# Allegro board 08_038702e.brd (continued)
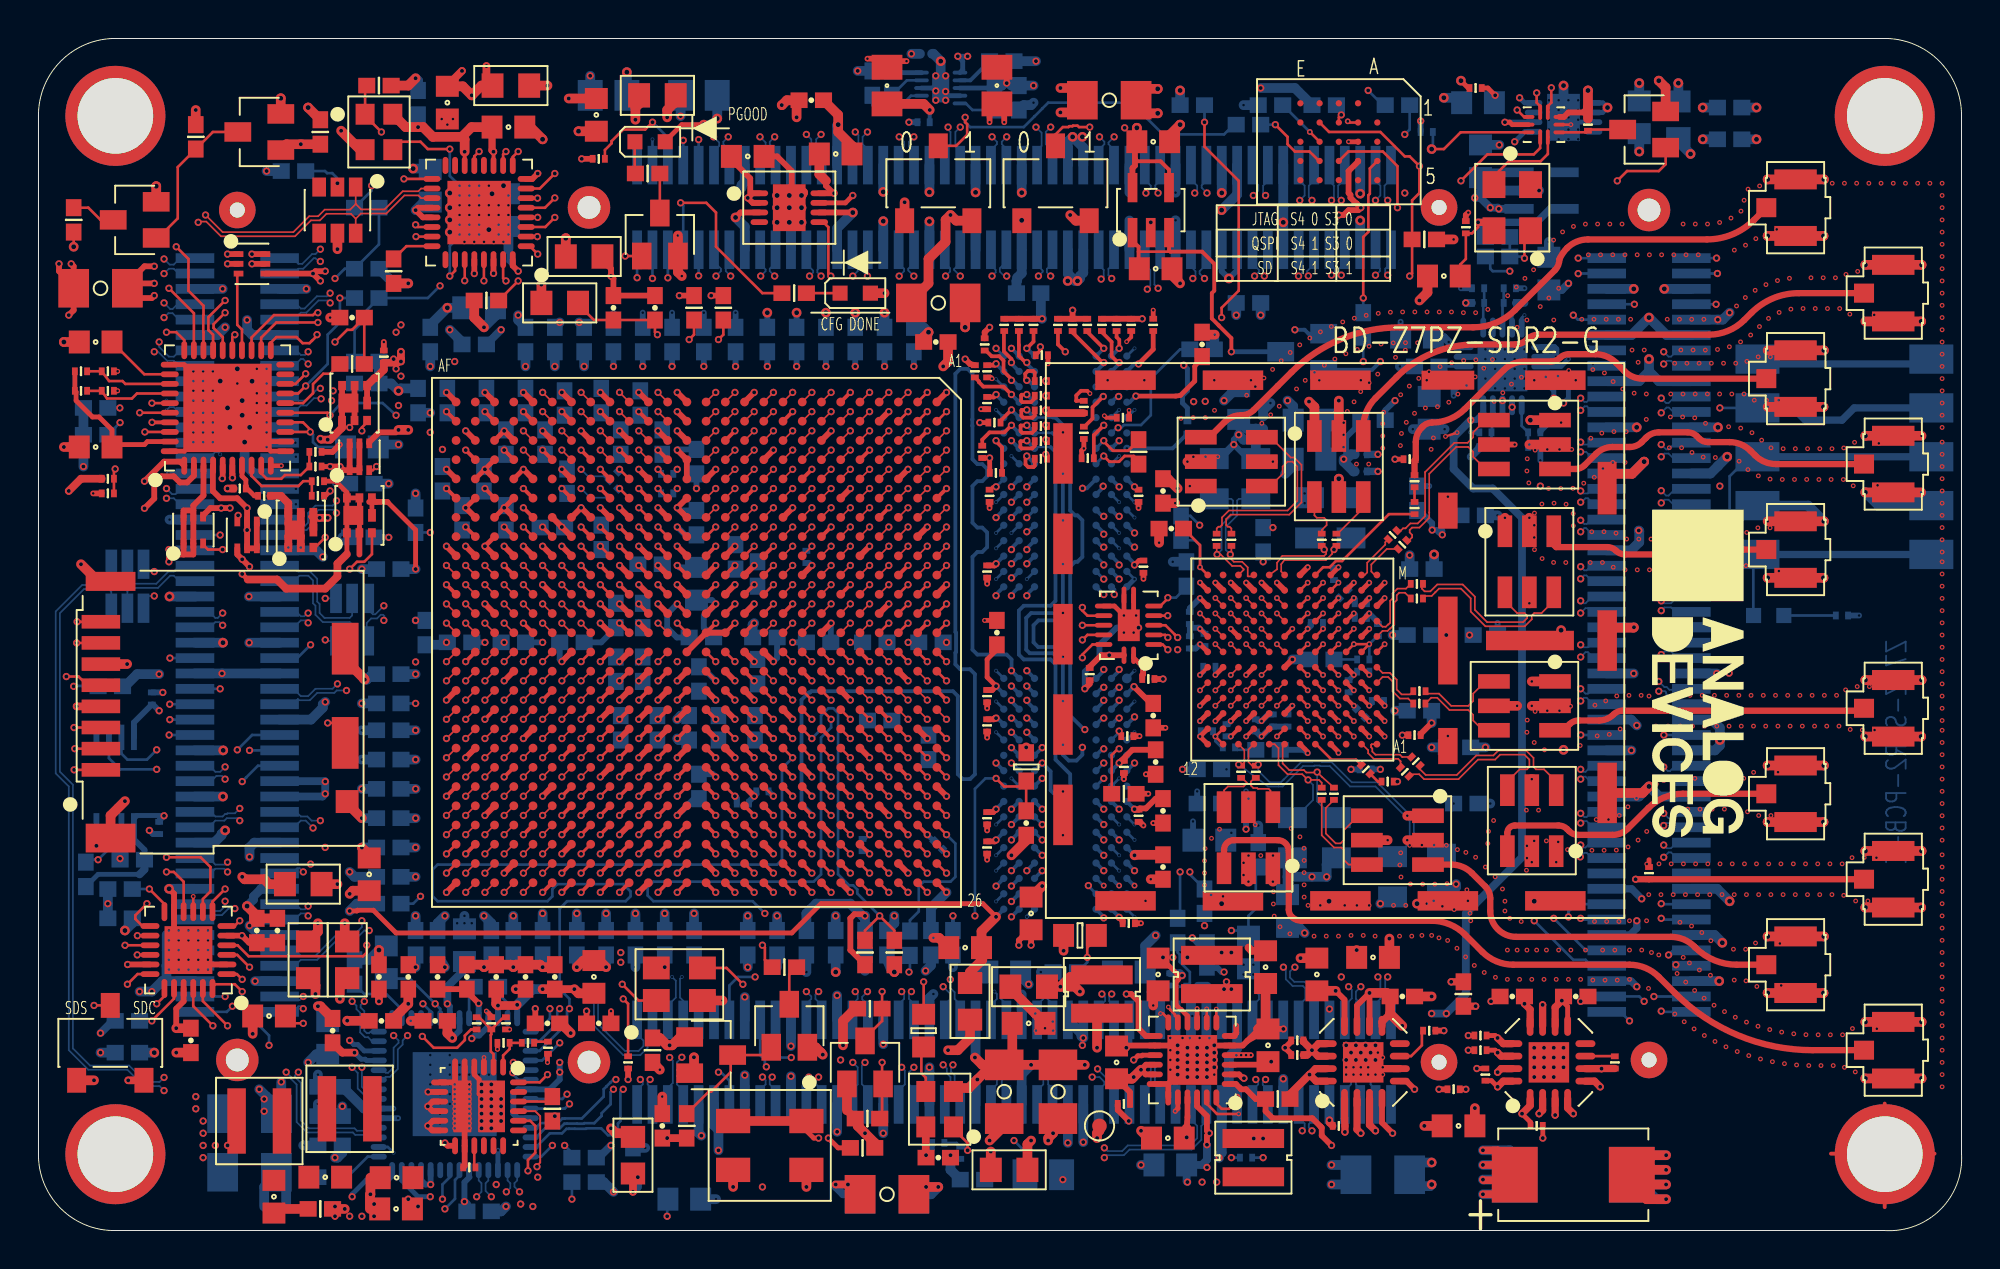
[diagram p0: board, top side]
## Routing (per net, layer and track width the routed paths; a pad name or vN(x,y) marks a point on that pad's centre or on a via; arc(x,y) is an arc through that point) (continued)
DDR3_A2: length 55.2
  TOP w0.197: v1(51.39,44.22) 51.38,44.22 51.31,44.28 51.31,44.56 51.45,44.7 51.73,44.7 51.8,44.62 R138.1 ; U1.N21 v1(35.22,22.59)
  L4_SIG w0.14: v1(51.39,27.58) 51.39,27.57 50.9,27.08 49.37,27.08 49.2,26.91 49.2,26.52 49.07,26.4 48.82,26.4 48.69,26.52 48.69,26.95 48.57,27.08 48.23,27.08 48.1,26.95 42.34,26.95 41.58,27.71 41.58,27.74 41.37,27.95 41.34,27.95 40.58,28.71 40.58,28.74 40.37,28.95 40.34,28.95 39.58,29.71 39.58,29.74 39.37,29.95 39.34,29.95 38.33,30.96 37.95,30.96 37.59,31.33 37.59,31.92 37.28,32.23 35.98,32.23 35.87,32.11 35.87,31.99 35.74,31.86 35.54,31.86 35.29,32.11 34.86,32.11 34.61,31.86 34.61,31.46 34.85,31.22 34.85,30.83 34.61,30.59 34.61,25.37 34.98,25 35.36,25 35.74,24.62 35.74,23.11 v1(35.22,22.59)
  L18_SIG w0.14: v1(51.39,44.22) 51.33,44.22 51.03,43.92 50.85,43.92 50.77,43.84 50.44,43.84 50.23,43.63 50.23,43.3 50.09,43.16 50.09,42.67 50.52,42.24 50.81,42.24 51.03,42.02 51.03,41.43 50.95,41.36 50.95,40.93 50.22,40.19 50.22,39.78 51.03,38.97 51.03,36.86 50.73,36.56 50.73,36.1 51.03,35.8 51.03,34.53 51.32,34.24 51.54,34.24 51.75,34.03 51.75,33.88 52.12,33.51 52.12,30.97 52.34,30.75 52.34,29.88 52.34,29.88 52.34,28.01 51.84,27.51 51.46,27.51 v1(51.39,27.58)
  BOTTOM w0.197: U3.P3 51.46,44.22 v1(51.39,44.22) ; U2.P3 51.39,27.51 v1(51.39,27.58)
DDR3_A3: length 54.2
  TOP w0.197: v1(50.59,43.48) 50.18,43.89 49.13,43.89 48.9,44.12 48.9,44.16 R139.1 ; U1.L22 v1(37.22,21.59)
  L4_SIG w0.14: v1(37.22,21.59) 37.12,21.69 37.12,21.98 36.63,22.46 36.63,22.46 36.63,24.69 36.37,24.95 36.3,24.95 35.58,25.67 35.58,25.74 35.37,25.95 35.37,26.23 35.58,26.44 35.58,29.74 35.37,29.95 35.36,29.95 35.1,30.21 35.1,30.74 35.58,31.21 35.88,31.21 36.27,30.81 36.47,30.81 36.63,30.97 36.63,31.1 36.76,31.23 37.13,31.23 37.9,30.46 38.03,30.46 38.85,29.63 38.85,29.44 39.07,29.23 39.2,29.23 39.85,28.58 39.85,28.44 40.07,28.23 40.2,28.23 40.85,27.58 40.85,27.44 41.07,27.23 41.2,27.23 41.85,26.58 41.85,26.44 42.07,26.23 47.37,26.23 47.49,26.35 47.8,26.35 47.98,26.52 48.19,26.52 48.95,25.76 49.2,25.76 49.33,25.89 49.33,26.23 49.46,26.35 49.58,26.35 49.64,26.29 49.94,26.29 50.01,26.35 50.29,26.35 v1(50.59,26.65)
  L18_SIG w0.14: v1(50.59,43.48) 51.02,43.05 51.53,43.05 51.75,42.83 51.75,42.77 51.87,42.65 51.87,38.84 53.01,37.7 53.01,36.94 51.87,35.8 51.87,34.78 52.61,34.04 52.61,29.77 52.61,29.77 52.61,27.77 51.89,27.05 51.56,27.05 51.54,27.08 51.11,27.08 51.08,27.05 50.93,27.05 50.59,26.71 v1(50.59,26.65)
  BOTTOM w0.197: U2.N2 50.66,26.65 v1(50.59,26.65) ; U3.N2 v1(50.59,43.48)
DDR3_A4: length 55.7
  TOP w0.197: U1.M20 v1(36.22,23.59) ; R140.1 56.82,46.46 v2(56.58,46.23)
  L2_GND w0.14: v2(56.58,46.23) 56.58,44.61 v3(56.19,44.22)
  L7_SIG w0.14: v1(36.22,23.59) 36.7,23.59 37.07,23.23 37.37,23.23 37.58,23.44 37.58,23.57 38.23,24.23 38.37,24.23 38.58,24.44 38.58,24.74 39.07,25.23 39.37,25.23 39.58,25.44 39.58,26.06 39.73,26.22 40.29,26.22 40.57,25.94 41.05,25.94 41.33,26.22 48,26.22 48.95,27.16 49.64,27.16 49.64,27.15 51.73,27.15 51.87,27.29 51.87,27.79 52.21,28.14 52.41,28.14 52.51,28.04 52.51,27.67 52.41,27.58 52.41,25.6 52.63,25.38 52.88,25.38 53.01,25.51 53.01,27.27 53.14,27.4 53.41,27.4 53.52,27.29 53.52,26.65 53.65,26.52 53.9,26.52 54.03,26.65 54.03,27.15 54.17,27.29 54.66,27.29 54.79,27.16 55.49,27.16 55.9,27.58 v1(56.19,27.58)
  L15_SIG w0.14: v3(56.19,44.22) 57.42,44.22 58.6,43.03 58.6,42.15 58.85,41.89 59.36,41.89 59.87,41.38 59.87,40.62 59.49,40.24 58.98,40.24 58.47,39.73 58.47,33.89 57.71,33.13 57.71,29.57 57.82,29.46 57.82,28.42 56.95,27.54 56.62,27.54 56.58,27.58 v1(56.19,27.58)
  L19_GND w0.14: v3(56.19,44.22) 56.13,44.22 v4(55.79,43.88)
  BOTTOM w0.197: U2.P8 56.19,27.51 v1(56.19,27.58)
DDR3_A5: length 55.1
  TOP w0.197: v1(50.59,44.22) 50.59,44.28 50.18,44.69 50.18,45.24 49.95,45.47 49.56,45.47 49.26,45.76 R141.1 ; U1.N22 v1(35.22,21.59)
  L4_SIG w0.14: v1(35.22,21.59) 35.21,21.59 34.72,22.08 34.72,24.75 34.34,25.13 34.34,32.37 35.1,33.13 37.26,33.13 37.85,32.54 37.85,32.41 38.31,31.95 38.37,31.95 38.58,31.74 38.58,31.69 39.31,30.95 39.37,30.95 40.58,29.74 40.58,29.69 41.31,28.95 41.37,28.95 41.58,28.74 41.58,28.69 42.31,27.95 42.37,27.95 42.58,27.74 42.58,27.69 43.04,27.23 47.87,27.23 48.22,27.58 v1(50.59,27.58)
  L18_SIG w0.14: v1(50.59,44.22) 50.38,44.22 50.08,43.92 49.84,43.92 49.76,43.84 49.64,43.84 49.07,43.27 49.07,42.75 49.46,42.37 49.46,41.64 49.09,41.28 49.09,36.66 50.23,35.53 50.23,34.53 50.44,34.32 50.68,34.32 50.69,34.3 50.74,34.3 50.95,34.09 50.95,34.04 50.95,33.8 51.24,33.52 51.47,33.52 51.75,33.23 51.75,30.33 52.02,30.07 52.02,28.57 51.87,28.41 51.87,28.3 51.75,28.19 51.75,28.16 51.54,27.95 51.52,27.95 51.51,27.94 51.24,27.94 51.22,27.92 50.98,27.92 50.64,27.58 v1(50.59,27.58)
  BOTTOM w0.197: U3.P2 50.66,44.22 v1(50.59,44.22) ; U2.P2 50.59,27.51 v1(50.59,27.58)
DDR3_A6: length 54.2
  TOP w0.197: v1(56.19,45.14) 56.13,45.14 55.8,45.47 55.8,46.21 55.3,46.72 R143.1 ; U1.L20 v1(37.22,23.59)
  L7_SIG w0.14: v1(37.22,23.59) 37.77,24.14 37.77,24.87 38.12,25.23 38.37,25.23 38.58,25.44 38.58,25.68 39.12,26.23 39.37,26.23 39.58,26.44 39.58,26.68 39.93,27.03 48.19,27.03 48.57,27.41 48.57,28.05 49.2,28.68 49.2,28.94 48.57,29.57 48.57,29.95 48.95,30.33 49.2,30.33 49.58,30.72 49.58,30.84 49.96,31.22 50.62,31.22 51,30.84 51,28.16 51.22,27.94 51.51,27.94 51.52,27.95 51.54,27.95 51.75,28.16 51.75,28.19 52.32,28.75 52.69,28.75 52.88,28.56 52.88,27.97 53.18,27.67 53.6,27.67 53.9,27.97 53.9,28.37 54.28,28.75 55.75,28.75 56.19,28.31 v1(56.19,28.25)
  L15_SIG w0.14: v1(56.19,28.25) 56.19,28.31 56.63,28.75 56.63,29.26 56.69,29.33 56.69,31.73 57.34,32.38 57.34,33.14 58.03,33.83 58.03,36.38 58.09,36.44 58.09,36.69 58.1,36.7 58.1,42.21 58.09,42.22 58.09,43.03 57.2,43.92 56.82,43.92 56.59,43.69 56.36,43.69 56.32,43.74 55.61,43.74 55.42,43.92 55.42,44.43 v1(56.19,45.14)
  BOTTOM w0.197: U2.R8 56.13,28.25 v1(56.19,28.25) ; U3.R8 56.19,45.08 v1(56.19,45.14)
DDR3_A7: length 54.8
  TOP w0.197: R144.1 50.2,46.77 50.2,45.72 50.59,45.33 v1(50.59,45.14) ; U1.J21 v1(39.22,22.59)
  L4_SIG w0.14: v1(50.59,28.31) 50.95,27.95 51.54,27.95 51.75,27.74 51.75,25.76 51.48,25.49 51.21,25.49 50.95,25.23 50.95,24.96 50.74,24.75 48.43,24.75 47.93,25.25 47.39,25.25 47.37,25.23 41.07,25.23 40.85,25.44 40.85,25.46 40.69,25.63 40.69,25.9 40.44,26.14 40.15,26.14 39.85,26.44 39.85,26.86 39.48,27.23 39.17,27.23 39.04,27.1 39.04,27.03 38.95,26.94 38.75,26.94 38.47,27.23 38.22,27.23 37.9,26.91 37.64,26.91 37.52,27.03 37.52,27.29 37.58,27.35 37.58,29 37.39,29.19 37.01,29.19 36.76,28.94 36.76,26.52 37.33,25.95 37.37,25.95 37.58,25.74 37.58,25.7 38.15,25.13 38.28,25.13 38.79,24.62 38.79,23.1 39.22,22.67 v1(39.22,22.59)
  L18_SIG w0.14: v1(50.59,45.14) 50.53,45.14 50.22,45.45 49.58,45.45 48.31,44.18 48.31,34.71 49.38,33.64 49.52,33.64 49.64,33.52 49.94,33.52 50.15,33.3 50.15,32.49 49.96,32.3 49.96,30.97 51.03,29.9 51.03,28.73 50.61,28.31 v1(50.59,28.31)
  BOTTOM w0.197: v1(50.59,45.14) 50.59,45.08 U3.R2 ; U2.R2 v1(50.59,28.31)
DDR3_A8: length 52.7
  TOP w0.197: U1.T20 v1(31.22,23.59) ; R145.1 56.06,46.46 56.2,46.32 56.2,45.88 v1(56.19,45.88)
  L14_SIG w0.14: v1(56.19,29.18) 55.33,28.68 55.17,28.68 54.98,28.49 54.92,28.18 54.82,27.96 54.53,27.67 52.25,27.67 51.66,27.08 35.06,27.08 34.47,27.67 33.96,27.67 33.45,27.16 32.06,27.16 31.68,26.78 31.68,24.11 31.22,23.65 v1(31.22,23.59)
  L18_SIG w0.14: v1(56.19,45.88) 56.62,45.45 57.58,45.45 58.09,44.95 58.09,43.68 58.75,43.02 58.75,40.35 59.87,39.22 59.87,37.83 59.49,37.45 59.49,34.78 58.68,33.97 58.68,33.9 57.96,33.19 57.96,30.84 56.57,29.45 56.47,29.45 v1(56.19,29.18)
  BOTTOM w0.197: v1(56.19,29.18) 56.19,29.11 U2.T8 ; U3.T8 v1(56.19,45.88)
DDR3_A9: length 52.5
  TOP w0.197: R146.1 50.98,46.04 50.98,46.04 50.98,45.49 51.33,45.14 v1(51.39,45.14) ; U1.U20 v1(30.22,23.59)
  L14_SIG w0.14: v1(51.39,28.31) 51.03,27.95 49.64,27.95 49.55,28.05 35.1,28.05 34.72,28.43 34.72,28.94 34.47,29.19 32.95,29.19 32.69,28.94 32.69,28.3 32.44,28.05 30.15,28.05 29.64,27.54 29.64,24.16 v1(30.22,23.59)
  L18_SIG w0.14: v1(51.39,45.14) 51.39,45.08 50.95,44.64 49.41,44.64 48.58,43.81 48.58,35.02 49.36,34.24 49.94,34.24 50.23,33.95 50.23,33.73 50.52,33.44 50.74,33.44 50.95,33.23 50.95,33.15 50.98,33.13 50.98,30.46 51.75,29.69 51.75,28.68 v1(51.39,28.31)
  BOTTOM w0.197: U2.R3 v1(51.39,28.31) ; v1(51.39,45.14) 51.39,45.08 U3.R3
DDR3_A10: length 54.8
  TOP w0.197: U1.M22 v1(36.22,21.59) ; R147.1 54.88,41.36 v1(55.39,41.88)
  L4_SIG w0.14: v1(36.22,21.59) 36.22,21.2 36.35,21.06 36.37,21.06 36.76,20.68 36.76,20.56 36.25,20.05 34.85,20.05 34.6,19.79 34.6,19.26 34.83,19.03 36.37,19.03 36.63,19.29 36.63,19.79 37.01,20.17 37.52,20.17 37.64,20.3 37.64,20.68 37.39,20.94 37.39,21.19 37.52,21.32 37.77,21.32 37.9,21.19 39.42,21.19 39.85,21.62 39.85,22.74 40.07,22.95 40.37,22.95 40.46,22.85 40.97,22.85 41.07,22.95 47.37,22.95 47.46,22.85 50.1,22.85 50.33,23.08 51.11,23.08 51.12,23.1 53.65,23.1 55.39,24.84 v1(55.39,25.05)
  L18_SIG w0.14: v1(55.39,41.88) 55.42,41.9 55.42,42.43 55.64,42.66 56.1,42.66 56.57,42.19 56.57,41.96 56.66,41.88 56.66,41.25 56.63,41.23 56.63,40.68 57.96,39.35 57.96,34.14 57.46,33.64 57.46,33.44 57.43,33.41 57.43,32.34 55.3,30.21 55.3,29.59 55.03,29.33 55.03,28.94 54.92,28.82 54.92,25.59 55.39,25.11 v1(55.39,25.05)
  BOTTOM w0.197: v1(55.39,41.88) U3.L7 ; v1(55.39,25.05) 55.33,25.05 U2.L7
DDR3_A11: length 56.7
  TOP w0.197: U1.H21 v1(40.22,22.59) ; R148.1 53.77,46.7 55.33,45.14 v1(55.39,45.14)
  L3_SIG w0.14: v1(55.39,28.25) 55.17,28.03 55.17,27.92 54.92,27.67 54.92,26.93 54.79,26.8 54.39,26.8 54.26,26.93 54.26,27.51 54.77,28.03 54.77,28.03 54.79,28.05 54.79,29.19 54.65,29.33 54.65,42.02 54.15,42.51 54.15,44.7 54.54,45.08 55.33,45.08 v1(55.39,45.14)
  L4_SIG w0.14: v1(40.22,22.59) 40.72,22.08 47.36,22.08 47.61,21.83 47.61,21.13 47.93,20.81 48.06,20.81 48.19,20.94 48.19,21.44 47.93,21.7 47.93,22.21 48.19,22.46 48.57,22.46 48.69,22.33 48.69,21.83 48.57,21.7 48.57,20.94 48.69,20.81 48.82,20.81 49.33,21.31 49.33,22.33 49.58,22.58 50.21,22.58 50.45,22.82 51.22,22.82 51.23,22.83 54.28,22.83 54.41,22.96 54.41,23.35 54.54,23.48 54.79,23.48 54.92,23.35 54.92,22.97 55.06,22.83 55.28,22.83 55.81,23.35 55.81,26.08 55.62,26.27 55.42,26.27 55.3,26.14 55.3,25.82 55.11,25.64 54.92,25.64 54.79,25.76 54.79,26.78 55.17,27.16 55.55,27.16 55.81,27.41 55.81,27.9 55.46,28.25 v1(55.39,28.25)
  BOTTOM w0.197: U2.R7 55.33,28.25 v1(55.39,28.25) ; v1(55.39,45.14) 55.39,45.08 U3.R7
DDR3_A12: length 52.2
  TOP w0.197: U1.P20 v1(33.22,23.59) ; R149.1 54.38,41.8 54.81,42.23 54.81,42.82 v1(55.37,43.38)
  L14_SIG w0.14: v1(55.39,26.65) 54.92,26.65 54.79,26.52 54.79,25.64 54.66,25.51 53.77,25.51 53.65,25.64 53.65,26.09 53.46,26.27 53.27,26.27 53.14,26.14 53.14,24.75 53.01,24.62 52.76,24.62 52.55,24.82 52.55,25.26 52.51,25.31 52.51,26.01 52.41,26.11 52.21,26.11 52,25.89 52,25.76 51.74,25.51 50.22,25.51 49.84,25.13 38.15,25.13 38.15,25.14 37.58,25.71 37.58,25.74 37.37,25.95 36.07,25.95 35.85,25.74 35.85,25.72 35.35,25.22 34.95,25.22 34.59,24.85 34.59,24.36 33.82,23.59 v1(33.22,23.59)
  L18_SIG w0.14: v1(55.39,26.65) 55.39,26.71 55.75,27.08 55.75,29.27 57.7,31.21 57.7,33.3 58.41,34.01 58.41,40.05 57.37,41.08 57.37,41.15 57.26,41.34 56.95,41.66 56.95,41.96 56.84,42.07 56.84,42.38 56.57,42.65 56.51,42.65 56.25,42.91 56.23,42.91 56.21,42.93 55.46,42.93 55.32,43.06 55.32,43.33 v1(55.37,43.38)
  BOTTOM w0.197: v1(55.37,43.38) 55.29,43.38 U3.N7 ; v1(55.39,26.65) 55.33,26.65 U2.N7
DDR3_A13: length 54.7
  TOP w0.197: v1(51.39,45.88) 51.74,46.23 R150.1 ; U1.J20 v1(39.22,23.59)
  L3_SIG w0.14: v1(51.39,29.11) 51.39,30.37 52.3,31.27 52.3,32.54 52.66,32.9 52.66,37.34 51.76,38.24 50.44,38.24 50.41,38.21 49.84,38.21 49.73,38.32 49.64,38.32 49.43,38.53 49.43,38.61 48.19,39.86 48.19,41.89 49.33,43.03 49.33,43.67 50.24,44.58 50.62,44.58 51.03,44.99 51.03,45.29 51.39,45.65 v1(51.39,45.88)
  L4_SIG w0.14: v1(51.39,29.11) 52.12,28.38 52.12,26.02 52.63,25.51 52.63,25.13 52.77,24.98 53,24.98 53.09,25.08 53.09,26.15 53.22,26.27 53.39,26.27 53.52,26.15 53.52,24.37 53.39,24.24 52.76,24.24 52.63,24.37 52.63,24.49 52.38,24.75 51.58,24.75 50.71,23.88 49.56,23.88 49.07,24.37 48.69,24.37 48.46,24.14 48.18,24.14 47.95,24.37 47.68,24.37 47.42,24.11 41.07,24.11 40.82,24.37 40.82,24.87 40.57,25.13 40.06,25.13 39.8,25.38 39.8,26.02 39.6,26.22 39.07,26.22 38.88,26.41 38.57,26.41 38.43,26.27 38.43,25.97 38.79,25.61 38.79,25.38 39.04,25.13 39.17,25.13 39.3,25 39.42,25 39.68,24.75 39.68,24.44 39.22,23.98 v1(39.22,23.59)
  BOTTOM w0.197: U2.T3 v1(51.39,29.11) ; U3.T3 v1(51.39,45.88)
DDR3_A14: length 53.5
  TOP w0.197: v1(55.39,45.88) 54.54,46.74 R151.1 ; U1.R20 v1(32.22,23.59)
  L7_SIG w0.14: v1(55.39,29.18) 55.39,29.69 55.17,29.92 55.17,31.73 54.64,32.26 54.64,33.24 55.03,33.62 55.03,34.03 55.24,34.24 55.65,34.24 55.83,34.42 55.83,34.83 56.04,35.04 56.45,35.04 56.63,35.22 56.63,35.63 56.63,35.63 56.63,35.69 56.84,35.9 57.13,35.9 57.15,35.92 57.33,35.92 57.58,36.18 57.58,37.7 58.88,39 58.88,40.16 58.23,40.81 57.24,40.81 57.14,40.72 56.82,40.72 56.63,40.91 56.63,41.23 56.69,41.29 56.69,41.76 56.19,42.27 56.19,42.43 55.81,42.82 55.81,45.47 v1(55.39,45.88)
  L14_SIG w0.14: v1(55.39,29.18) 55.95,29.51 56.19,29.57 56.31,29.57 56.57,29.32 56.57,28.94 56.06,28.68 55.83,28.4 55.83,28.11 55.81,28.05 55.81,27.54 55.64,27.23 55.17,27.08 51.49,26.28 51.24,26.28 51.24,26.27 50.75,26.27 50.74,26.28 50.44,26.28 49,26.15 37.52,26.23 36.64,26.23 36.63,26.22 35.95,26.22 35.02,25.93 34.67,25.58 33.85,24.73 33.45,24.24 v1(32.22,23.59)
  BOTTOM w0.197: v1(55.39,29.18) 55.39,29.11 U2.T7 ; U3.T7 v1(55.39,45.88)
DDR3_BA0: length 55.2
  TOP w0.197: U1.U22 v1(30.22,21.59) ; v1(50.59,42.68) 50.03,42.11 R152.1
  L3_SIG w0.14: v1(50.59,42.68) 50.32,42.4 50.22,42.4 48.92,41.1 48.92,39.71 49.4,39.22 51.39,39.22 53.13,37.48 53.13,32.99 52.57,32.43 52.57,27.22 51.62,26.28 51.24,26.28 51.24,26.27 50.98,26.27 50.62,25.91 v1(50.59,25.91)
  L7_SIG w0.14: v1(30.22,21.59) 30.58,21.23 30.58,18.22 30.85,17.95 30.85,17.44 31.07,17.23 31.58,17.23 31.93,16.87 33.39,16.87 33.84,17.33 33.84,18.01 33.85,18.01 33.85,18.79 34.28,19.23 35.37,19.23 35.58,19.44 35.58,20.06 35.84,20.33 35.84,20.73 35.87,20.75 35.87,21.43 35.85,21.44 35.85,21.81 36.27,22.23 37.37,22.23 37.58,22.44 37.58,22.46 38.07,22.95 38.47,22.95 38.74,23.23 39.37,23.23 39.58,23.44 39.58,23.74 40.07,24.23 40.37,24.23 40.58,24.44 40.58,24.46 41.07,24.96 43.7,24.96 43.95,25.22 47.25,25.22 47.48,25.22 47.68,25.01 48.07,25.01 48.44,25.38 50.06,25.38 v1(50.59,25.91)
  BOTTOM w0.197: U3.M2 v1(50.59,42.68) ; U2.M2 v1(50.59,25.91)
DDR3_BA1: length 54.5
  TOP w0.197: U1.T22 v1(31.22,21.59) ; R153.1 53.96,43.15 53.96,43.43 54.21,43.67 54.54,43.67 v2(54.68,43.53)
  L2_GND w0.14: v1(56.17,43.38) 56.01,43.53 55.73,43.53 55.52,43.74 55.22,43.74 55.01,43.53 v2(54.68,43.53)
  L14_SIG w0.14: v1(56.19,26.65) 55.92,26.38 55.92,26.22 54.3,24.6 53.88,24.6 53.52,24.24 53.52,23.1 53.31,22.89 47.89,22.89 47.55,23.22 37.01,23.22 36.58,23.66 36.58,23.74 36.33,23.98 35.1,23.98 34.85,23.74 34.85,23.73 34.72,23.6 34.72,23.44 34.24,22.96 31.93,22.96 31.58,22.6 31.58,21.95 v1(31.22,21.59)
  L15_SIG w0.14: v1(56.17,43.38) 56.17,43.02 56.08,42.93 55.81,42.93 55.68,42.81 55.68,42.54 55.82,42.4 56.69,42.4 56.99,42.69 57.24,42.69 57.84,42.1 57.84,36.81 57.58,36.56 57.58,33.76 57.08,33.26 57.08,32.65 56.19,31.76 56.19,29.83 55.81,29.45 55.81,27.41 56.19,27.03 v1(56.19,26.65)
  BOTTOM w0.197: v1(56.17,43.38) 56.09,43.38 U3.N8 ; U2.N8 56.13,26.65 v1(56.19,26.65)
DDR3_BA2: length 59.5
  TOP w0.197: R154.1 51.8,42.38 51.69,42.27 51.21,42.27 51.11,42.37 51.11,42.65 51.13,42.68 51.39,42.68 v1(51.39,42.68) ; U1.R22 v1(32.22,21.59)
  L7_SIG w0.14: v1(51.39,25.91) 51.03,26.28 48.95,26.28 48.63,25.95 44.07,25.95 43.59,25.47 43.59,25.45 43.37,25.23 40.37,25.23 40.09,24.95 40.07,24.95 39.85,24.74 39.85,24.71 39.09,23.95 39.07,23.95 38.85,23.74 38.85,23.71 38.37,23.23 37.74,23.23 37.48,22.96 36.97,22.96 36.95,22.95 36.07,22.95 35.85,22.74 35.85,22.58 35.58,22.3 35.58,20.44 35.16,20.02 34.69,20.02 33.58,18.9 33.58,18.3 33.58,18.3 33.58,17.44 33.37,17.23 32.07,17.23 31.58,17.71 31.58,17.74 31.37,17.95 31.34,17.95 30.85,18.44 30.85,20.62 30.85,20.74 31.07,20.95 31.09,20.95 31.73,21.59 v1(32.22,21.59)
  L17_SIG w0.14: v1(54.41,26.05) 54.37,26.02 52.38,26.02 52.25,25.89 51.42,25.89 v1(51.39,25.91)
  BOTTOM w0.127: U3.M3 52.75,42.28
  BOTTOM w0.197: U2.M3 v1(51.39,25.91) ; 52.75,42.28 52.88,42.28 53.65,41.51 53.65,37.45 53.9,37.19 54.03,37.19 54.28,36.94 54.28,35.03 54.03,34.78 53.9,34.78 53.65,34.53 53.65,31.99 53.39,31.73 52,31.73 51.74,31.48 51.74,30.59 51.98,30.35 52.9,30.35 52.91,30.33 53.39,30.33 53.65,30.08 53.65,26.78 54.37,26.05 v1(54.41,26.05) ; v1(51.39,42.68) U3.M3
DDR3_CAS#: length 58.4
  TOP w0.197: v1(51.39,41.08) 51.37,41.05 51.08,41.05 51.06,41.03 51.06,40.75 51.13,40.67 51.67,40.67 51.8,40.81 R159.1 ; U1.Y23 v1(27.22,20.59)
  L18_SIG w0.14: v1(27.22,20.59) 27.58,20.59 27.99,20.17 30.41,20.17 30.66,20.43 30.66,21.57 31.31,22.23 31.37,22.23 31.58,22.44 31.58,22.49 32.31,23.23 32.37,23.23 32.58,23.44 32.58,23.49 33.33,24.24 34.05,24.24 34.07,24.23 38.37,24.23 38.58,24.44 38.58,24.54 39.27,25.23 39.37,25.23 39.58,25.44 39.58,25.49 40.31,26.23 47.37,26.23 49.64,23.95 51.83,23.95 v1(52.19,24.31)
  BOTTOM w0.127: 52.63,40.75 51.86,40.75 U3.K3
  BOTTOM w0.197: U2.K3 v1(52.19,24.31) 52.63,23.88 52.63,22.89 52.94,22.59 53.37,22.59 53.65,22.87 53.65,23.73 52.88,24.49 52.88,29.45 52.63,29.7 51.23,29.7 50.98,29.95 50.98,32.24 51.23,32.49 52.63,32.49 52.88,32.75 52.88,40.49 52.63,40.75 ; v1(51.39,41.08) U3.K3
DDR3_CK_N: length 57.5
  TOP w0.152: R142.2 57.2,41.09 56.67,40.56 55.87,40.56 55.39,41.03 v1(55.39,41.08) ; U1.P21 v1(33.22,22.59)
  L14_SIG w0.13: v1(33.22,22.59) 34.34,22.59 34.98,22.95 47.36,22.95 47.71,22.6 47.81,22.6 48.19,22.23 48.19,21.3 48.41,21.07 48.83,21.07 49.07,21.32 49.07,22.19 49.51,22.62 52.45,22.62 52.89,22.19 52.89,19.77 53.12,19.54 53.8,19.54 54.03,19.77 54.03,23.66 54.41,24.04 55.23,24.04 55.4,23.87 55.67,23.87 55.81,24.01 55.81,24.14 55.63,24.31 v1(55.39,24.31)
  L18_SIG w0.13: v1(55.39,41.08) 55.84,40.64 56.05,40.64 57.7,38.98 57.7,34.26 56.57,33.13 56.57,32.62 55.55,31.6 54.92,30.97 54.92,30.17 54.89,30.14 54.89,30.06 54.77,29.93 54.77,29.91 54.64,29.78 54.64,29.64 54.43,29.43 54.3,29.43 54.15,29.28 54.15,28.43 54.05,28.32 54.05,25.4 53.92,25.28 53.92,25 53.92,24.98 54.29,24.61 54.29,24.61 54.66,24.24 55.32,24.24 v1(55.39,24.31)
  BOTTOM w0.152: U2.K7 v1(55.39,24.31) ; U3.K7 v1(55.39,41.08)
DDR3_CK_P: length 58
  TOP w0.152: U1.R21 v1(32.22,22.59) ; v1(55.39,40.28) 55.68,39.99 56.19,39.99 56.48,40.28 56.95,40.28 57.2,40.02 R142.1
  L14_SIG w0.13: v1(32.22,22.59) 32.12,22.59 32.02,22.48 32.02,22.3 32.11,22.21 47.3,22.21 47.32,22.23 47.36,22.23 47.48,22.35 47.71,22.35 47.93,22.12 47.93,21.19 48.31,20.81 48.95,20.81 49.33,21.19 49.33,22.08 49.62,22.37 52.34,22.37 52.63,22.08 52.63,19.67 53.01,19.29 53.9,19.29 54.28,19.67 54.28,23.56 54.51,23.79 54.61,23.79 54.61,23.78 55.12,23.78 55.12,23.79 v1(55.39,23.51)
  L18_SIG w0.13: v1(55.39,40.28) 56.04,40.28 57.45,38.87 57.45,34.37 56.31,33.23 56.31,32.73 54.66,31.08 54.66,30.59 54.28,30.14 54.13,30.14 53.92,29.94 53.92,29.43 53.9,29.4 53.9,28.53 53.79,28.43 53.79,25.51 53.67,25.38 53.67,24.89 53.67,24.89 53.67,24.87 54.04,24.5 54.04,24.5 54.58,23.96 55.17,23.96 55.39,23.74 v1(55.39,23.51)
  BOTTOM w0.152: U3.J7 v1(55.39,40.28) ; U2.J7 v1(55.39,23.51)
DDR3_CKE: length 58.9
  TOP w0.197: U1.U21 v1(30.22,22.59)
  L7_SIG w0.14: v1(56.99,24.31) 57.02,24.31 58.09,25.38 58.09,36.91 60.38,39.2 60.38,40.49 59.74,41.13 58.09,41.13 58.04,41.08 v3(56.99,41.08)
  L14_SIG w0.14: v1(30.22,22.59) 30.79,22.02 30.79,21.44 31.17,21.06 47.3,21.06 48.41,19.95 51.07,19.95 51.87,19.15 52.4,19.15 52.64,18.9 54.03,18.9 54.66,19.54 54.66,21.98 v1(56.99,24.31)
  L19_GND w0.14: v4(56.59,40.68) v3(56.99,41.08)
  BOTTOM w0.197: v4(56.59,40.68) 58.97,40.68 R160.1 ; U2.K9 v1(56.99,24.31)
DDR3_CS#: length 57
  TOP w0.197: v1(50.59,41.88) 50.22,41.51 49.46,41.51 49.07,41.13 R163.1 ; U1.Y21 v1(27.22,22.59)
  L3_SIG w0.14: v1(50.59,25.11) 50.59,25.12 50.98,25.51 51.74,25.51 53.01,26.78 53.01,32.49 53.39,32.87 53.39,37.62 51.41,39.61 50.4,39.61 49.82,40.18 49.82,40.33 49.61,40.54 49.46,40.54 49.25,40.75 49.25,41.05 50.09,41.89 50.58,41.89 v1(50.59,41.88)
  L18_SIG w0.14: v1(50.59,25.11) 49.19,26.52 49.19,29.51 48.85,29.85 48.29,29.85 47.96,29.52 47.96,28.3 47.7,28.05 40.16,28.05 39.85,27.74 39.85,27.72 39.09,26.95 39.07,26.95 38.85,26.74 38.85,26.72 38.15,26.02 33.13,26.02 32.85,25.74 32.85,25.72 32.37,25.23 32.28,25.23 31.58,24.52 31.58,24.44 31.37,24.23 31.28,24.23 30.58,23.52 30.58,23.44 30.37,23.23 30.28,23.23 29.58,22.52 29.58,22.44 29.22,22.08 27.72,22.08 v1(27.22,22.59)
  BOTTOM w0.197: U3.L2 v1(50.59,41.88) ; U2.L2 v1(50.59,25.11)
DDR3_DM0: length 43.3
  TOP w0.197: U1.G24 v1(41.22,19.59)
  L7_SIG w0.14: v1(41.22,19.59) 41.22,19.52 41.58,19.16 41.58,18.14 41.85,17.87 41.85,17.44 42.07,17.23 42.5,17.23 42.85,16.87 47.42,16.87 48.06,17.51 48.06,19.54 49.2,20.68 54.28,20.68 55.15,21.55 57.95,21.55 59.62,23.22 65.2,23.22 65.46,22.97 65.46,22.33 65.2,22.08 60.12,22.08 59.6,21.55 59.6,21.55 59.38,21.34 59.38,21.34 58.22,20.17 57.84,20.17 57.58,19.92 55.8,19.92 v1(55.39,19.51)
  BOTTOM w0.197: U2.E7 v1(55.39,19.51)
DDR3_DM1: length 43.9
  TOP w0.197: U1.K25 v1(38.22,18.59)
  L17_SIG w0.14: v1(51.39,18.71) 51.36,18.68 51.36,18.14 50.69,17.48 50.44,17.48 50.23,17.26 50.23,17.04 49.94,16.75 42.35,16.75 42.09,16.49 42.09,15.81 41.75,15.48 41.28,15.48 40.95,15.81 40.95,16.11 40.57,16.49 39.93,16.49 39.55,16.11 39.55,15.86 39.17,15.48 38.28,15.48 37.9,15.86 37.9,15.86 37.41,16.34 37.41,16.64 37.77,17 37.77,17.89 37.52,18.14 36.88,18.14 36.76,18.02 36.76,17.13 36.5,16.87 36.5,16.23 36.73,16 36.74,16 36.88,15.86 36.88,15.09 36.63,14.84 36.12,14.84 35.74,15.22 35.74,18.9 35.99,19.16 39.42,19.16 39.68,19.41 39.68,20.05 39.8,20.17 42.34,20.17 42.6,19.92 42.6,19.41 42.34,19.16 40.06,19.16 39.8,18.9 39.8,18.4 39.55,18.14 38.66,18.14 v1(38.22,18.59)
  BOTTOM w0.197: U2.D3 v1(51.39,18.71)
DDR3_DM2: length 46.1
  TOP w0.197: U1.P26 v1(33.22,17.59)
  L7_SIG w0.14: v1(55.39,36.21) 55.08,36.53 54.72,36.53 54.52,36.32 54.52,36.18 54.28,35.94 54.14,35.94 53.87,35.68 53.87,35.19 54.15,34.91 54.53,34.91 54.79,34.65 54.79,34.27 54.53,34.02 54.15,34.02 53.9,33.76 53.9,29.57 53.65,29.32 53.27,29.32 53.01,29.57 53.01,32.49 52.75,32.75 52.27,32.75 51.63,32.11 50.24,32.11 50.08,31.95 49.58,31.95 49.2,32.33 48.44,32.33 48.06,31.95 48.06,28.68 47.42,28.05 40.16,28.05 39.58,27.46 39.58,27.44 39.37,27.23 39.34,27.23 38.58,26.46 38.58,26.44 38.37,26.23 38.34,26.23 37.58,25.46 37.58,25.44 37.37,25.23 37.34,25.23 36.85,24.74 36.85,24.46 36.34,23.95 36.07,23.95 35.85,23.74 35.85,23.46 35.58,23.19 35.07,23.19 34.85,22.97 34.85,20.81 33.58,19.54 33.58,19.44 33.37,19.23 33.27,19.23 32.82,18.78 32.82,17.99 v1(33.22,17.59)
  BOTTOM w0.197: v1(55.39,36.21) 55.39,36.28 U3.E7
DDR3_DM3: length 43.8
  TOP w0.197: U1.V26 v1(29.22,17.59)
  L15_SIG w0.14: v1(29.22,17.59) 28.92,17.89 28.43,17.89 28.37,17.95 28.07,17.95 27.85,17.74 27.85,17.44 28.17,17.13 35.3,17.13 35.62,17.45 35.62,17.75 35.23,18.14 35.04,18.14 34.5,18.68 34.22,18.97 34.22,23.98 34.72,24.49 34.72,24.87 34.98,25.13 37.39,25.13 37.85,25.59 37.85,25.74 38.07,25.95 38.21,25.95 38.85,26.59 38.85,26.74 39.07,26.95 39.21,26.95 39.85,27.59 39.85,27.74 40.07,27.95 40.21,27.95 40.69,28.43 40.69,32.62 41.3,33.23 41.37,33.23 41.58,33.44 41.58,33.5 42.3,34.23 42.37,34.23 42.58,34.44 42.58,34.5 43.11,35.03 49.2,35.03 50.09,35.92 50.88,35.92 v1(51.39,35.41)
  BOTTOM w0.197: U3.D3 51.39,35.48 v1(51.39,35.41)
DDR3_DQ0: length 43.6
  TOP w0.197: U1.J26 v1(39.22,17.59)
  L17_SIG w0.14: v1(39.22,17.59) 39.58,17.23 48.79,17.23 49.43,17.86 49.43,18.06 49.64,18.28 49.87,18.28 50.15,18.56 50.15,18.79 50.44,19.08 50.9,19.08 51.34,19.51 51.64,19.51 51.83,19.32 51.83,17.6 51.23,17 51.23,15.73 50.98,15.48 42.98,15.48 42.72,15.22 42.72,14.59 42.98,14.33 52.3,14.33 52.55,14.59 52.55,19.15 v1(52.19,19.51)
  BOTTOM w0.197: U2.E3 v1(52.19,19.51)
DDR3_DQ1: length 43.4
  TOP w0.197: U1.F25 v1(42.22,18.59)
  L17_SIG w0.14: v1(55.39,20.31) 55.76,20.68 57.46,20.68 57.71,20.43 57.71,14.97 57.96,14.71 58.6,14.71 58.85,14.97 58.85,16.11 59.11,16.36 63.04,16.36 63.3,16.62 63.3,18.02 63.04,18.28 61.23,18.28 61.23,18.27 59.11,18.27 58.85,18.52 58.85,20.68 57.96,21.57 57.16,21.57 57.14,21.55 55.15,21.55 53.91,20.31 53.51,20.31 53.14,20.68 48.95,20.68 48.31,20.05 43.89,20.05 43.58,19.74 43.58,19.44 43.37,19.23 42.85,19.23 v1(42.22,18.59)
  BOTTOM w0.197: U2.F7 v1(55.39,20.31)
DDR3_DQ2: length 43.4
  TOP w0.197: U1.J25 v1(39.22,18.59)
  L7_SIG w0.14: v1(50.59,20.31) 50.2,19.92 49.33,19.92 48.69,19.29 48.69,18.52 48.86,18.35 52.34,18.35 52.39,18.4 52.76,18.4 53.01,18.65 53.01,20.05 53.27,20.3 54.03,20.3 54.23,20.1 54.23,17.38 53.85,17 51.61,17 51.36,16.75 48.16,16.75 47.93,16.51 47.93,16.19 48.16,15.95 53.18,15.95 53.39,15.74 53.39,15.44 53.18,15.22 47.42,15.22 46.92,15.73 43.11,15.73 42.83,16 42.83,16 42.62,16.21 42.62,16.22 41.84,17 40.06,17 39.8,17.25 39.8,18.02 39.23,18.59 v1(39.22,18.59)
  BOTTOM w0.197: U2.F2 v1(50.59,20.31)
